# Altium PCB PCB2.PcbDoc
Units mm, origin at the board's own origin, x right, y up, seen from the top; angles counter-clockwise.
Board outline 84 x 54 mm, 2 copper layers (Top Layer, Bottom Layer); 83 components, 48 nets, 243 pads, 93 vias.
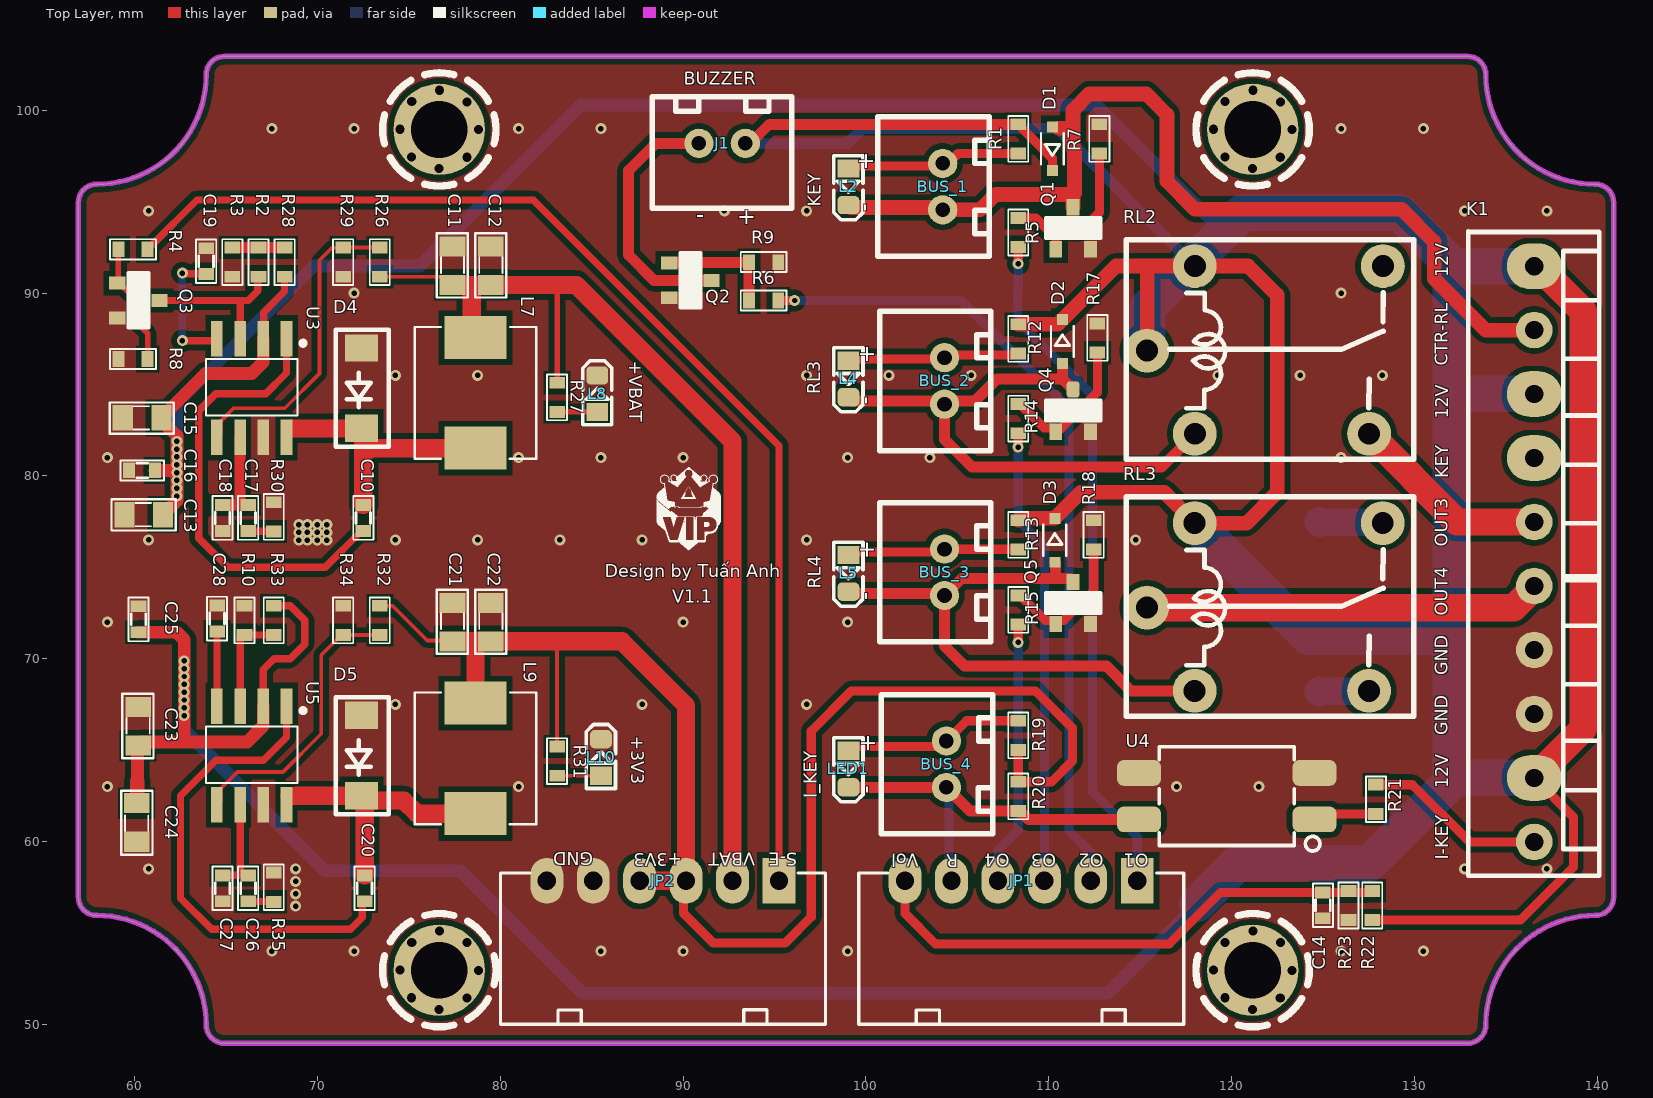
[diagram p0: Top Layer view]
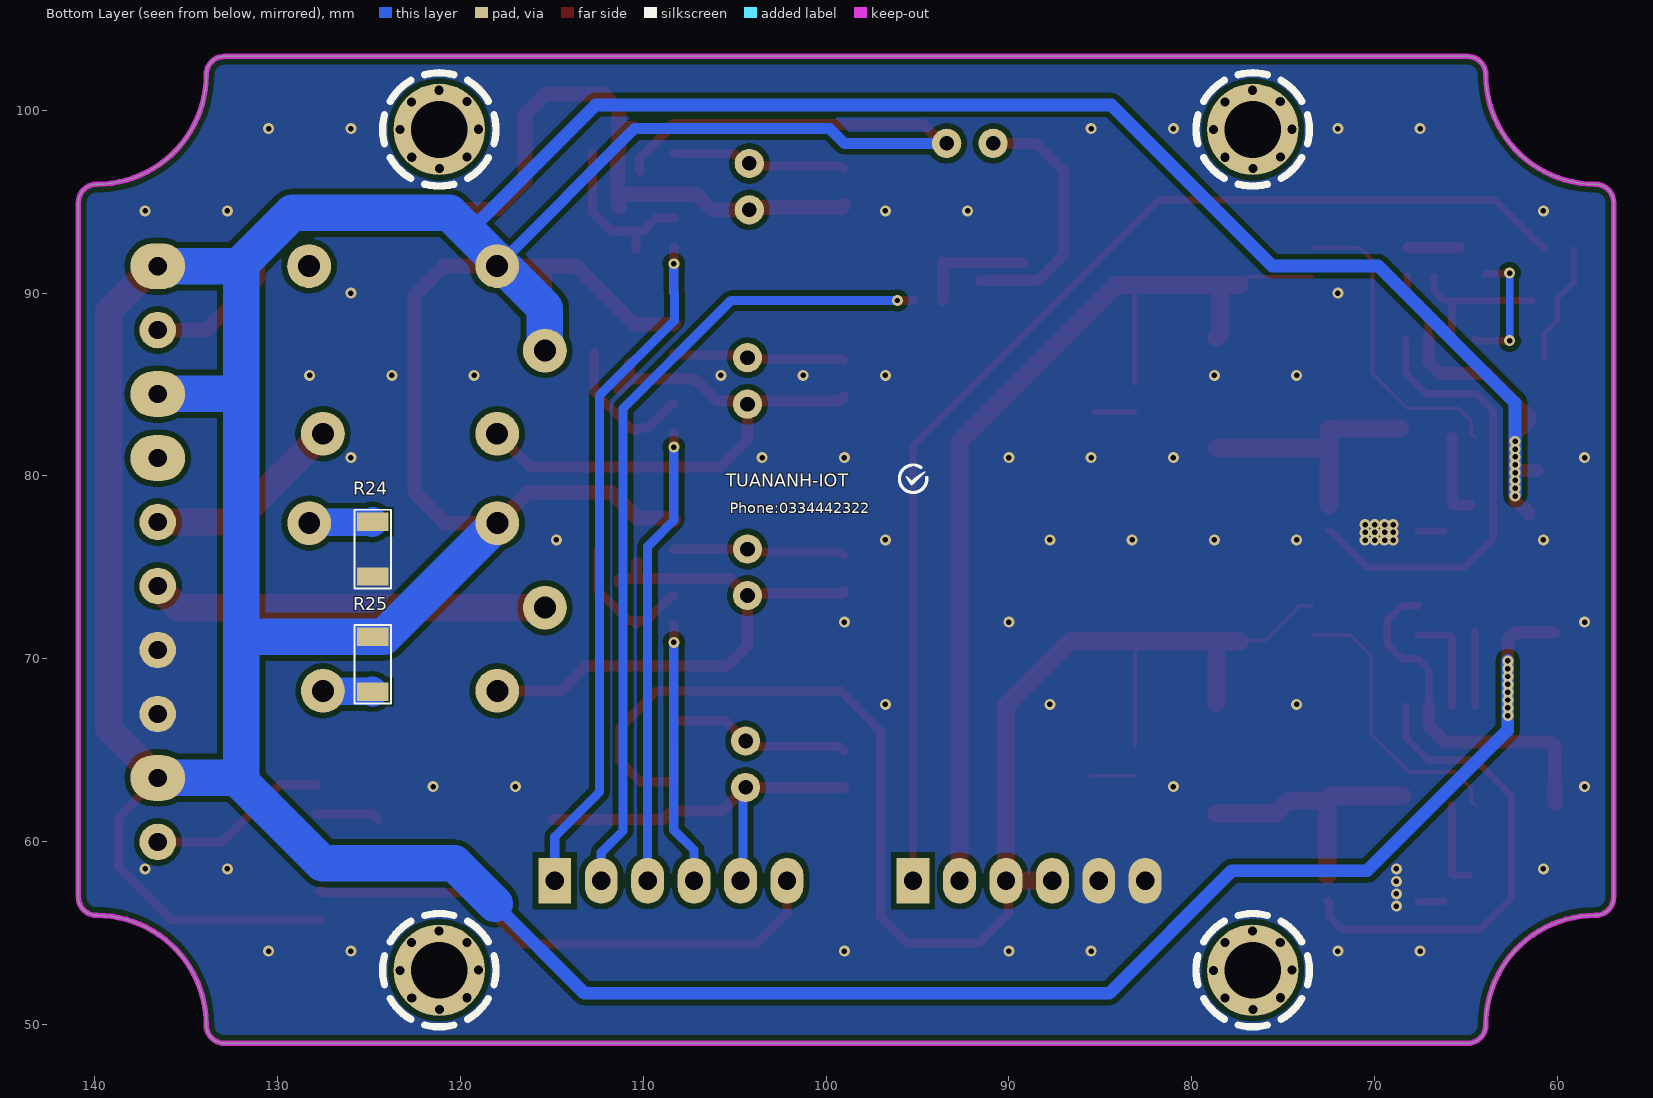
[diagram p1: Bottom Layer view, seen from below]
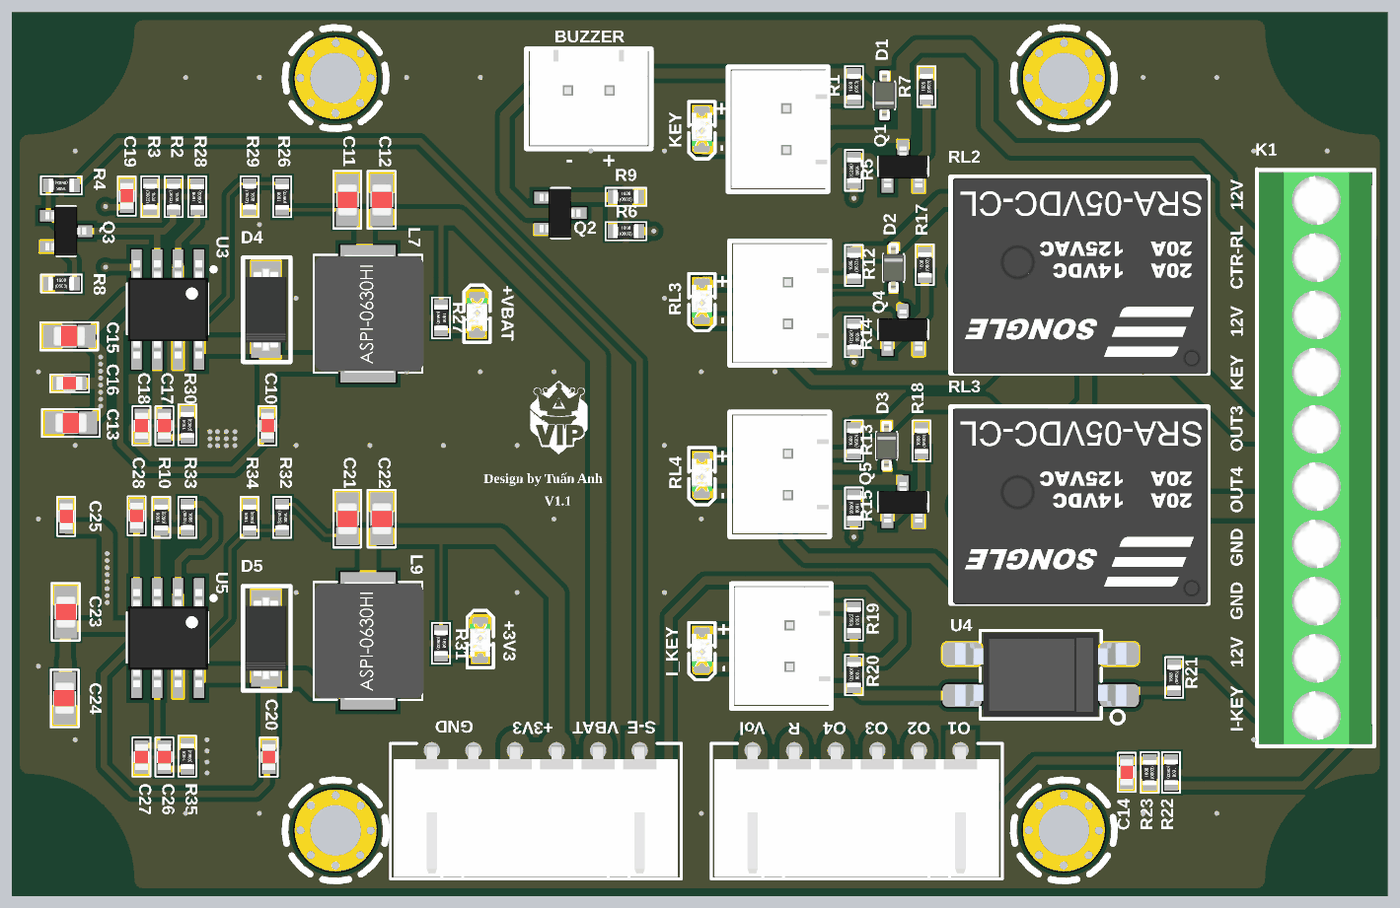
[diagram p2: 3D render of the assembled board from above, using the file's embedded part models]

## Layer stack, top to bottom
Top Solder: solder mask 0.0102, Solder Resist, Dk 3.5
Top Layer: signal copper 0.0356
Dielectric 1: dielectric 0.32, FR-4, Dk 4.8
Bottom Layer: signal copper 0.0356
Bottom Solder: solder mask 0.0102, Solder Resist, Dk 3.5

## Board outline
56.908,56.959 ccw(c57.908,56.959) 57.908,55.959 cw(c57.908,49.959) 63.908,49.959 ccw(c64.908,49.959) 64.908,48.959 132.908,48.959 ccw(c132.908,49.959) 133.908,49.959 cw(c139.908,49.959) 139.908,55.959 ccw(c139.908,56.959) 140.908,56.959 140.908,94.959 ccw(c139.908,94.959) 139.908,95.959 cw(c139.908,101.959) 133.908,101.959 ccw(c132.908,101.959) 132.908,102.959 64.908,102.959 ccw(c64.908,101.959) 63.908,101.959 cw(c57.908,101.959) 57.908,95.959 ccw(c57.908,94.959) 56.908,94.959

## Design rules (kind name [scope] priority, off if disabled: settings)
Clearance [All] p1: gap=0.3 ignorepadtopadclearanceinfootprint=FALSE
PlaneConnect [All] p1: planeconnectstyle=Direct reliefexpansion=0.508 reliefentries=4 reliefconductorwidth=0.254 reliefairgap=0.254
PolygonConnect [All] p1: connectstyle=Direct reliefconductorwidth=0.254 reliefentries=4 polygonreliefangle="90 Angle" airgapwidth=0.254
RoutingVias [All] p1: holewidth=0.2 width=0.6 viastyle="Through Hole" minholewidth=0.2 minwidth=0.6 maxholewidth=0.2 maxwidth=0.6
SolderMaskExpansion [All] p1: expansion=0.102 istentingtop=FALSE
Width [All] p1: maxlimit=3 minlimit=0.2 preferedwidth=0.4
29 further rules are at their usual default settings.

## Components (designator, comment, footprint, x,y, rotation, side; value= is the part's Value field where it differs from the comment)
BUS_1 "BUS_2PIN" CON2 104.2,95.83 r90 top value="Connector 2"
BUS_2 "BUS_2PIN" CON2 104.3,85.2 r90 top value="Connector 2"
BUS_3 "BUS_2PIN" CON2 104.3,74.73 r90 top value="Connector 2"
BUS_4 "BUS_2PIN" CON2 104.4,64.23 r90 top value="Connector 2"
C10 "100nF" CAP-0603 72.5,77.7 r90 top value=0,047uF
C11 "47uF" Cap-0805 77.3,91.5 r270 top value=0,047uF
C12 "47uF" Cap-0805 79.4,91.5 r270 top value=0,047uF
C13 "4.7uF" Cap-0805 60.5,77.8 r0 top value=0,047uF
C14 "100nF" CAP-0603 125,56.51 r90 top value=0,047uF
C15 "4.7uF" Cap-0805 60.4,83.1 r0 top value=0,047uF
C16 "0.01uF" CAP-0603 60.4,80.3 r0 top value=0,047uF
C17 "1nF" CAP-0603 66.2,77.7 r90 top value=0,047uF
C18 "47pF" CAP-0603 64.8,77.7 r90 top value=0,047uF
C19 "15nF" CAP-0603 63.9,91.75 r270 top value=0,047uF
C20 "100nF" CAP-0603 72.573,57.44 r90 top value=0,047uF
C21 "47uF" Cap-0805 77.3,72 r270 top value=0,047uF
C22 "47uF" Cap-0805 79.4,72 r270 top value=0,047uF
C23 "4.7uF" Cap-0805 60.1,66.3 r270 top value=0,047uF
C24 "4.7uF" Cap-0805 60.18,61.05 r90 top value=0,047uF
C25 "0.01uF" CAP-0603 60.2,72.16 r270 top value=0,047uF
C26 "1nF" CAP-0603 66.2,57.44 r90 top value=0,047uF
C27 "47pF" CAP-0603 64.8,57.44 r90 top value=0,047uF
C28 "15nF" CAP-0603 64.5,72.2 r270 top value=0,047uF
D1 "1N4007" SOD-323 110.2,97.9 r90 top
D2 "1N4007" SOD-323 110.75,87.358 r270 top
D3 "1N4007" SOD-323 110.33,76.48 r270 top
D4 "SS34" SS34 72.2,84.8 r90 top
D5 "SS34" SS34 72.2,64.7 r90 top
J1 "BUS_2PIN" CON2 92.13,98.2 r180 top value="Connector 2"
JP1 "XHB-6A" XH2.54-6P_THRU 108.48,57.83 r180 top value=JP7
JP2 "XHB-6A" XH2.54-6P_THRU 88.88,57.83 r180 top value=JP7
K1 "KF_10PIN" DOMINO-10PIN_3.5mm 136.56,87.98 r270 top
L2 "LED_R_1" LED_0805_smd 99.14,95.92 r270 top value=Red
L4 "LED_R_1" LED_0805_smd 99.14,85.41 r270 top value=Red
L5 "LED_R_1" LED_0805_smd 99.14,74.77 r270 top value=Red
L7 "10uH" INDUCTOR-06030 78.7,84.6 r90 top
L8 "LED" LED_0805_smd 85.2,84.4 r90 top value="Led 5v"
L9 "10uH" INDUCTOR-06030 78.7,64.6 r90 top
L10 "LED" LED_0805_smd 85.4,64.5 r90 top value="Led 3V3"
LED1 "SMD" LED_0805_smd 99.14,64.07 r270 top value=Red
Q1 "SI2300DS" SOT-23#1 111.33,93.56 r0 top
Q2 "SI2300DS" SOT-23#1 90.4,90.7 r270 top
Q3 "BSS138" SOT-23#1 60.2,89.6 r270 top
Q4 "SI2300DS" SOT-23#2 111.33,83.58 r0 top
Q5 "SI2300DS" SOT-23#1 111.33,73.05 r0 top
R1 "1k" RES-0603 108.33,98.44 r90 top
R2 "10K" RES-0603 66.767,91.7 r270 top
R3 "22K" RES-0603 65.333,91.7 r270 top
R4 "1K" RES-0603 59.9,92.4 r180 top
R5 "1K" RES-0603 108.33,93.32 r270 top
R6 "1K" RES-0603 94.4,89.6 r0 top
R7 "10k" RES-0603 112.77,98.44 r90 top
R8 "10K" RES-0603 59.9,86.4 r0 top
R9 "10K" RES-0603 94.4,91.7 r0 top
R10 "22K" RES-0603 66,72.1 r90 top
R12 "1k" RES-0603 108.33,87.5 r90 top
R13 "1k" RES-0603 108.33,76.78 r90 top
R14 "1K" RES-0603 108.33,83.14 r270 top
R15 "1K" RES-0603 108.33,72.67 r270 top
R17 "10k" RES-0603 112.66,87.55 r90 top
R18 "10k" RES-0603 112.46,76.78 r90 top
R19 "10K" RES-0603 108.33,65.81 r270 top
R20 "10K" RES-0603 108.33,62.47 r270 top
R21 "4K7" RES-0603 127.9,62.31 r90 top
R22 "30k" RES-0603 127.7,56.5 r270 top
R23 "7K5" RES-0603 126.4,56.5 r90 top
R24 "0R" RES-1206 124.8,76 r90 bottom
R25 "0R" RES-1206 124.8,69.7 r90 bottom
R26 "47K/1%" RES-0603 73.4,91.7 r90 top
R27 "1K" RES-0603 83.1,84.3 r270 top
R28 "47K" RES-0603 68.2,91.7 r90 top
R29 "12K/1%" RES-0603 71.4,91.7 r270 top
R30 "29K4" RES-0603 67.6,77.76 r90 top
R31 "1K" RES-0603 83.1,64.4 r270 top
R32 "47K/1%" RES-0603 73.4,72.1 r270 top
R33 "47K" RES-0603 67.6,72.1 r270 top
R34 "15K/1%" RES-0603 71.4,72.1 r90 top
R35 "29K4" RES-0603 67.6,57.5 r90 top
RL2 "Relay-VALUE" RL-20A 122.014,87.425 r0 top value="Relay SPDT, 10A, 12V"
RL3 "Relay-VALUE" RL-20A 122.01,73.36 r0 top value="Relay SPDT, 10A, 12V"
U3 "TPS54231D" SOIC-8 66.4,84.8 r270 top
U4 "FL817" OPTO-PC817 119.91,62.48 r180 top
U5 "TPS54231D" SOIC-8 66.4,64.7 r270 top

## Footprints (in the part's own frame and the unit in brackets; to place one, negate y for a bottom-side part, rotate by r counter-clockwise, add the part's x,y. Pads: shape width x height; smd on the part's side, far side on the other; paste and mask are expansions set on the pad)
CAP-0603 [mm]
  rect 0.65x0.85 smd: 1(-0.71,0) 2(0.71,0)
  silkscreen extent -1.19,-0.55 1.2,0.55, body extent -0.8,-0.4 0.8,0.4, height 0.3
Cap-0805 [mm]
  rect 1.1x1.397 smd: 1(-1.06,0.08) 2(1.05,0.08)
  silkscreen extent -1.78,-0.78 1.74,0.92, body extent -1.01,-0.55 0.99,0.7, height 0.78
CON2 [mm] "CON2"
  round 1.6 hole 0.8 mask+0.1: 1(-1.27,0) 2(1.27,0)
  silkscreen extent -3.81,-2.54 3.81,3.56, body extent -3.61,-2.49 3.61,3.35, height 7.21
DOMINO-10PIN_3.5mm [mm]
  oval 2.5x3 hole 1 mask+0.102: 1(-3.5,0) 3(3.5,0)
  round 2 hole 1 mask+0.102: 2(0,0)
  oval 2.5x3 hole 1 mask+0.1: 4(7,0) 9(24.5,0)
  round 2 hole 1 mask+0.1: 5(10.5,0) 6(14,0) 7(17.5,0) 8(21,0) 10(28,0)
  silkscreen extent -5.4,-3.6 29.86,3.57, body extent -5.25,-3.48 29.75,3.42, height 8.8
INDUCTOR-06030 [mm] "MHCI06030-150M-R8"
  rect 2.35x3.4 smd: 1(-3.078,0.063) 2(2.972,0.063)
  silkscreen extent -3.66,-3.26 3.55,3.39, body extent -3.65,-3.34 3.55,3.31, height 3.05
LED_0805_smd [mm]
  rect 1x1.2 smd paste-2 mask+0.075: 1(-0.9,-0.1)
  rrect50% 1x1.2 smd paste-2 mask+0.075: 2(1.1,-0.1)
  silkscreen extent -1.6,-0.9 1.9,0.7, body extent -0.9,-0.73 1.1,0.53, height 0.7
OPTO-PC817 [mm]
  rrect50% 2.4x1.4 smd: 1(-4.629,1.269) 2(-4.629,-1.271) 3(4.971,-1.271) 4(4.971,1.269)
  silkscreen extent -4.93,-2.7 3.87,3, body extent -5.06,-2.55 5.4,2.55, height 4.6
RES-0603 [mm] "Chip Resistor, Body 1.6x0.8mm, IPC High Density"
  rect 0.65x0.85 smd: 1(-0.8,0) 2(0.8,0)
  silkscreen extent -1.25,-0.55 1.25,0.55, body extent -0.78,-0.42 0.77,0.43, height 0.45
RES-1206 [mm] "Chip Resistor, Body 3.2x1.6mm, IPC High Density"
  rect 1x1.7 smd: 1(-1.5,0) 2(1.5,0)
  silkscreen extent -2.15,-1 2.15,1, body extent -1.61,-0.8 1.59,0.8, height 0.55
RL-20A [mm]
  round 2.4 hole 1.2 mask+0.1: 1(-6.632,-0.564) 2(6.265,4.06) 3(5.514,-5.115) 4(-4.024,-5.115) 5(-4.024,4.06)
  silkscreen extent -7.77,-6.52 7.96,5.5, body extent -7.62,-6.57 7.95,5.42, height 14.94
SOD-323 [mm]
  rect 0.6x0.6 smd paste-0.05: 1(1.2,0) 2(-1.2,0)
  silkscreen extent -0.85,-0.63 0.85,0.63, body extent -1.52,-0.71 1.52,0.71, height 1.18
SOIC-8 [mm]
  rect 1.95x0.635 smd: 1(-2.706,1.901) 2(-2.706,0.631) 3(-2.706,-0.639) 4(-2.706,-1.909) 5(2.682,-1.909) 6(2.682,-0.639) 7(2.682,0.631) 8(2.682,1.901)
  silkscreen extent -2.59,-2.5 1.5,2.93, body extent -3.01,-2.44 2.99,2.46, height 1.75
SOT-23#1 [mm] "SOT 23 _ 1-3-2"
  rect 0.7x0.9 smd: 1(-0.95,-1.15) 2(0.95,-1.15) 3(0,1.15)
  silkscreen extent -1.5,-0.55 1.5,0.55, body extent -1.5,-1.28 1.5,1.22, height 1.06
SOT-23#2 [mm] "SOT 23 _ 1-3-2"
  rect 0.7x0.9 smd: 1(-0.95,-1.15) 2(0.95,-1.15)
  rrect50% 0.7x0.9 smd: 3(0,1.15)
  silkscreen extent -1.5,-0.55 1.5,0.55, body extent -1.5,-1.28 1.5,1.22, height 1.06
SS34 [mm]
  rect 1.5x1.8 smd: 1(2.2,-0.2) 2(-2.2,-0.2)
  silkscreen extent -3.2,-1.7 3.2,1.2, body extent -2.55,-1.45 2.55,1.05, height 2.41
XH2.54-6P_THRU [mm]
  rect 1.8x2.5 hole 1 mask+0.1: 1(-6.36,-0.02)
  oval 1.8x2.5 hole 1 mask+0.1: 2(-3.82,-0.02) 3(-1.28,-0.02) 4(1.26,-0.02) 5(3.8,-0.02) 6(6.34,-0.02)
  silkscreen extent -8.91,-0.45 8.87,7.83, body extent -8.7,-0.32 8.68,7.71, height 5.84

## Part data
BUS_1 BUS_2 BUS_3 BUS_4 J1: library part CON2, "Connector 2"
C10 C11 C12 C13 C14 C15 C16 C17 C18 C19 C20 C21 C22 C23 C24 C25 C26 C27 C28: library part "CAP CERAMIC", "Cap np W0.3", Copyright=VanDungEvn
D1 D2 D3: "DIODE, GENERAL PURPOSE, 1000V/1A", ASSEMBLY=ASSEMBLY, DESC=DESCRIPTION, MANF=Diodes, MANF_P#=1N4007, PARAM="1000V, 1.15V", PARAM2=1.5A, PRICE=PRICE
D4 D5: library part DIODE_SCHOKY
JP1 JP2: library part JP6, "JP6 PIN"
L2 L4 L5: library part LED_RED_3MM, "LED Red 3mm/5MM", ComponentLink1Description=Datasheet, ComponentLink1URL="D:\Dropbox\Datasheets\Opto and Illumination\LEDs\SMD LED.pdf", Unit Price=0.0476
L7 L9: library part IN
L8 L10: library part LED_RED_SMD, ComponentLink1Description=Datasheet, ComponentLink1URL="D:\Dropbox\Datasheets\Opto and Illumination\LEDs\SMD LED.pdf", Unit Price=0.0476
LED1: library part LED_RED_SMD, "LED Red 3mm/5MM", ComponentLink1Description=Datasheet, ComponentLink1URL="D:\Dropbox\Datasheets\Opto and Illumination\LEDs\SMD LED.pdf", Unit Price=0.0476
Q1 Q4 Q5: library part MOSFET_SI2300DS, "MOSFET N-CH 3.6A 30V"
Q2: library part MOSFET-N_SI2300DS, "MOSFET N-CH 3.6A 30V"
Q3: library part MOSFET-N_BSS138, "MOSFET N-CH 0.2A-50V"
R1 R2 R3 R4 R5 R6 R7 R8 R9 R10 R12 R13 R14 R15 R17 R18 R19 R20 R21 R22 R23 R24 R25 R26 R27 R28 R29 R30 R31 R32 R33 R34 R35: library part Res, "Res", Manufacturer="Generic Components", Class=Passive, Published=08/06/2000, Publisher="Altium Hobart Technology Centre", SubClass=R
RL2 RL3: library part Relay-SONGLE, "Relay SPDT"
U3 U5: "IC BUCK @TE"
U4: library part OPTO-PC817, "OPTOCOUPLER, TRANSISTOR, 4PIN", PRICE=PRICE

## Free pads (board coordinates)
  round 0.5 hole 0.5: ""(74.515,52.968) ""(74.515,98.968) ""(75.136,51.45) ""(75.136,97.45) ""(75.149,54.481) ""(75.149,100.481) ""(76.649,50.816) ""(76.649,96.816) ""(76.667,55.102) ""(76.667,101.102) ""(78.167,51.437) ""(78.167,97.437) ""(78.18,54.468) ""(78.18,100.468) ""(78.801,52.95) ""(78.801,98.95) ""(119.015,52.968) ""(119.015,98.968) ""(119.636,51.45) ""(119.636,97.45) ""(119.649,54.481) ""(119.649,100.481) ""(121.149,50.816) ""(121.149,96.816) ""(121.167,55.102) ""(121.167,101.102) ""(122.667,51.437) ""(122.667,97.437) ""(122.68,54.468) ""(122.68,100.468) ""(123.301,52.95) ""(123.301,98.95)
  round 5 hole 3.1 mask+0.1: ""(76.658,52.959) ""(76.658,98.959) ""(121.158,52.959) ""(121.158,98.959)

## Via types
v1: diameter 0.6, hole 0.3, Top Layer to Bottom Layer, tented both sides, 93 vias

## Nets (pads, with @x,y where several pads share a name; then routed paths per layer and width w, separated by ;. In a path a pad name is that pad's centre, name@x,y a point inside that pad or via, vN(x,y) a via of type N, cw(c..) or ccw(c..) an arc to the next point about the centre after c; other vN are vias at no path point)
+3V3: C21.2 C22.2 JP2.3 JP2.4 L9.2 R19.2 R20.1 R31.1 R32.1 | length 83.6
  Top Layer w0.2: R32.1 74.1,72.9 75.999,71.001 77.329,71.001 C21.2 ; R31.1 83.1,70.95
  Top Layer w0.5: JP2.3 90.02,57.71 90.02,56.08 91.65,54.45 95.58,54.45 97.01,55.88 97.01,66.04 99.21,68.24 109.26,68.24 111.3,66.2 111.3,64.41 110.16,63.27 R20.1 R19.2
  Top Layer w1: C21.2 78.43,70.95 ; L9.2 78.637,70.743 78.43,70.95 ; JP2.4 JP2.3 90.16,67.44 86.65,70.95 83.1,70.95 C22.2 78.43,70.95
+12V: C13.2 C15.2 C16.2 C23.2 C24.2 C25.2 D1.2 D2.2 D3.2 J1.1 K1.1 K1.3 K1.9 R1.2 R12.2 R13.2 R22.2 R25.2 R28.1 R33.1 RL2.1 RL2.5 RL3.5 U3.2 U5.2 | length 427.1
  Top Layer w0.4: U5.2 67.031,69.415 67.616,70 68.5,70 69.3,70.8 69.3,72.1 68.5,72.9 R33.1 ; U3.2 67.048,87.523 67.048,88.948 68.189,90.089 68.189,90.889 R28.1
  Top Layer w0.5: R1.2 108.43,99.24 108.505,99.165 108.505,99.065 110.2,97.37 D1.2 D1.2@110.2,96.696 ; R22.2 135.8,55.7 138.7,58.6 138.7,61.34 K1.9
  Top Layer w0.6: C15.2 61.45,83.328 61.7,83.578 C15.2@61.848,83.578 ; J1.1 93.671,98.2 94.711,99.24 R1.2
  Top Layer w0.7: 60.14,63.3 C23.2@60.14,65.21 ; C23.2 60.378,65.448 62.7,65.448 ; C25.2 62.29,71.45 62.7,71.04 v1(62.7,69.886) v1(62.7,69.457) v1(62.7,69.029) v1(62.7,68.6) v1(62.7,68.171) v1(62.7,67.743) v1(62.7,67.314) v1(62.7,66.886) 62.7,65.448 ; C16.2 62.116,80.3 v1@62.3,80.484 ; C15.2 61.65,82.98 61.65,82.831 62.3,82.181 v1(62.3,81.9) v1(62.3,81.471) v1(62.3,81.043) v1(62.3,80.614) v1@62.3,80.484 ; C13.2 61.55,78.028 61.75,78.228 61.89,78.228 62.3,78.639 v1(62.3,78.9) v1(62.3,79.329) v1(62.3,79.757) v1(62.3,80.186) v1@62.3,80.484 ; C15.2@61.848,83.578 63.87,85.6 66.4,85.6 67.031,86.231 U3.2 ; U5.2 67.031,66.331 66.148,65.448 62.7,65.448
  Top Layer w0.8: C24.2 60.14,62.14 60.14,63.3 ; C23.2@60.14,65.21 C23.2 ; R13.2 108.405,77.655 108.773,77.655 108.798,77.68 D3.2 111.75,79.1 116.307,79.1 RL3.5 120.82,77.42 122.5,79.1 122.5,89.9 120.915,91.485 RL2.5 115.382,91.485 ; R12.2 110.492,88.3 D2.2 113.677,91.485 115.382,91.485 ; RL2.1 115.382,91.485
  Top Layer w1.5: K1.9 139.25,66.17 139.25,89.01 137.122,91.138 136.902,91.138 K1.1
  Bottom Layer w0.6: J1.1 99,98.2 99.8,99 110.475,99 117.868,91.607 RL2.5
  Bottom Layer w0.7: v1@62.3,78.995 v1(62.3,79.329) v1(62.3,79.757) v1(62.3,80.186) v1(62.3,80.614) v1(62.3,81.043) v1(62.3,81.471) v1(62.3,81.9) 62.3,84 69.785,91.485 75.585,91.485 84.4,100.3 112.6,100.3 119.275,93.625 119.825,93.625 ; v1(62.7,69.886) v1(62.7,69.457) v1(62.7,69.029) v1(62.7,68.6) v1(62.7,68.171) v1(62.7,67.743) v1(62.7,67.314) v1(62.7,66.886) 62.7,66.1 70.4,58.4 77.8,58.4 84.5,51.7 113.23,51.7 118.135,56.605
  Bottom Layer w2: RL2.1 115.382,89.182 117.513,91.313 117.574,91.313 117.868,91.607 118.077,91.815 118.077,91.877 119.825,93.625 120.6,94.4 129.21,94.4 132,91.61 ; RL3.5 124.207,71.2 131.8,71.2 132,71 ; 118.135,56.605 120.33,58.8 127.55,58.8 132.23,63.48 K1.9 ; 132,63.48 132,71 ; K1.3 136.55,84.49 132,84.49 ; K1.1 132.13,91.48 132,91.61 ; 132,71 132,84.49 ; 132,84.49 132,91.61
COIL_CTR: BUS_1.1 D1.1 K1.2 L2.2 Q1.3 | length 53.1
  Top Layer w0.8: L2.2 99.17,94.69 104.07,94.69 BUS_1.1 106.26,94.56 107.1,95.4 111.33,95.4 ; 110.56,99.03 111.33,99.03 ; Q1.3 111.33,95.4 ; K1.2 133.92,87.98 131.1,90.8 131.1,92.8 129.3,94.6 118,94.6 116.47,96.13 116.47,99.76 115.33,100.9 112.22,100.9 111.33,100.01 111.33,99.03 ; 111.33,95.4 111.41,95.48 111.41,97.892 111.33,97.972 111.33,99.03
GND: C11.1 C12.1 C13.1 C14.1 C15.1 C16.1 C18.1 C19.1 C21.1 C22.1 C23.1 C24.1 C25.1 C27.1 C28.1 D4.1 D5.1 JP2.5 JP2.6 K1.7 K1.8 L8.2 L10.2 Q1.2 Q2.2 Q3.2 Q4.2 Q5.2 R3.2 R7.2 R8.1 R9.2 R10.2 R17.2 R18.2 R23.1 R24.1 R29.2 R30.2 R34.2 R35.2 U3.7 U4.2 U4.3 U5.7
  other v1: 67.5,54 72,54 85.5,54 90,54 99,54 126,54 130.5,54 68.8,56.47 68.8,57.14 68.8,57.82 60.75,58.5 68.8,58.5 132.75,58.5 137.25,58.5 58.5,63 81,63 117,63 121.5,63 74.25,67.5 87.75,67.5 96.75,67.5 58.5,72 90,72 99,72 68.98,76.483 69.44,76.483 69.98,76.483 70.51,76.483 60.75,76.5 74.25,76.5 78.75,76.5 83.25,76.5 87.75,76.5 96.75,76.5 114.75,76.5 68.98,76.911 69.44,76.911 69.98,76.911 70.51,76.911 68.98,77.34 69.44,77.34 69.98,77.34 70.51,77.34 58.5,81 81,81 85.5,81 90,81 99,81 103.5,81 126,81 74.25,85.5 78.75,85.5 96.75,85.5 101.25,85.5 105.75,85.5 119.25,85.5 123.75,85.5 128.25,85.5 72,90 126,90 60.75,94.5 92.25,94.5 96.75,94.5 132.75,94.5 137.25,94.5 67.5,99 72,99 81,99 85.5,99 126,99 130.5,99
IN: K1.10 R21.2 | length 10
  Top Layer w0.5: R21.2 129.89,63.11 133.02,59.98 K1.10
NetBUS_1_2: BUS_1.2 L2.1 R1.1 | length 9.6
  Top Layer w0.5: L2.1 99.18,96.96 104.06,96.96 BUS_1.2 104.498,97.1 105.038,97.64 R1.1
NetBUS_2_1: BUS_2.1 D2.1 L4.2 Q4.3 RL2.4 | length 31.2
  Top Layer w0.6: L4.2 99.25,84.1 104.13,84.1 BUS_2.1 ; D2.1 110.75,85.31 ; Q4.3 111.33,84.83 111.23,84.93 111.13,84.93 110.75,85.31 ; RL2.4 116.18,80.5 105.8,80.5 104.3,82 BUS_2.1 ; BUS_2.1 104.47,84.1 105.96,84.1 107.17,85.31 110.75,85.31
NetBUS_2_2: BUS_2.2 L4.1 R12.1 | length 9.5
  Top Layer w0.5: L4.1 99.12,86.39 104.22,86.39 BUS_2.2 104.455,86.625 108.255,86.625 R12.1
NetBUS_3_1: BUS_3.1 D3.1 L5.2 Q5.3 RL3.4 | length 31.3
  Top Layer w0.6: L5.2 99.145,73.565 104.195,73.565 BUS_3.1 ; D3.1 110.38,75.23 110.38,74.52 110.5,74.4 ; Q5.3 111.33,74.3 111.23,74.4 110.5,74.4 ; RL3.4 114.505,68.245 113.15,69.6 105.4,69.6 104.3,70.7 BUS_3.1 ; BUS_3.1 105.24,74.4 110.5,74.4
NetBUS_3_2: BUS_3.2 L5.1 R13.1 | length 9.4
  Top Layer w0.5: L5.1 99.205,75.835 104.135,75.835 BUS_3.2 104.31,75.99 108.32,75.99 R13.1
NetBUS_4_2: BUS_4.2 LED1.1 R19.1 | length 10
  Top Layer w0.5: LED1.1 99.27,65.2 103.802,65.2 104.102,65.5 BUS_4.2 105.51,66.61 R19.1
NetC10_1: C10.1 U3.1 | length 25
  Top Layer w0.4: U3.1 68.301,85.635 67.166,84.5 64.43,84.5 63.5,83.57 63.5,76.6 65.1,75 70.41,75 72.4,76.99 C10.1
NetC10_2: C10.2 D4.2 L7.1 U3.8 | length 14.3
  Top Layer w1: U3.8@68.6,82.6 D4.2 72.478,82.522 72.478,81.522 L7.1 ; C10.2 72.5,81.6
NetC17_1: C17.1 R30.1 | length 1.4
  Top Layer w0.4: C17.1 66.215,76.975 67.585,76.975 R30.1
NetC17_2: C17.2 C18.2 U3.6 | length 4.6
  Top Layer w0.6: C18.2 65.7,78.41 65.761,78.471 U3.6
NetC19_2: C19.2 U3.4 | length 7
  Top Layer w0.4: v1(62.6,87.4) 64.385,87.4 U3.4 ; v1(62.6,91.1) 62.63,91.07 63.87,91.07 C19.2
  Bottom Layer w0.4: v1(62.6,87.4) v1(62.6,91.1)
NetC20_1: C20.1 U5.1 | length 26.3
  Top Layer w0.4: U5.1 68.301,65.701 67.04,64.44 64.44,64.44 62.5,62.5 62.5,56.9 64.2,55.2 71.8,55.2 72.448,55.848 72.448,56.705 72.473,56.73 C20.1
NetC20_2: C20.2 D5.2 L9.1 U5.8 | length 14.7
  Top Layer w1: U5.8@68.483,62.493 68.879,62.493 68.886,62.5 D5.2 D5.2@72.65,62.25 ; C20.2 72.573,62.25 D5.2@72.65,62.25 ; L9.1 75.437,61.522 74.709,62.25 D5.2@72.65,62.25
NetC26_1: C26.1 R35.1 | length 1.4
  Top Layer w0.4: C26.1 66.215,56.715 67.585,56.715 R35.1
NetC26_2: C26.2 C27.2 U5.6 | length 4.8
  Top Layer w0.4: C27.2 65.7,58.15 65.761,58.211 U5.6
NetC28_2: C28.2 U5.4 | length 4.1
  Top Layer w0.4: U5.4 C28.2@64.491,71.481
NetJ1_2: J1.2 Q2.3 | length 14.2
  Top Layer w0.6: J1.2 88.5,98.2 87,96.7 87,92.1 88.4,90.7 Q2.3
NetL8_1: L8.1 R27.2 | length 2.2
  Top Layer w0.3: R27.2 L8.1
NetL10_1: L10.1 R31.2 | length 2.4
  Top Layer w0.2: R31.2 L10.1
NetQ1_1: Q1.1 R5.1 R7.1 | length 9.4
  Top Layer w0.5: R5.1 109.28,94.12 110,93.4 110.3,93.4 ; Q1.1 110.405,92.435 110.405,93.295 110.3,93.4 ; R7.1 112.77,94.43 111.74,93.4 110.3,93.4
NetQ2_1: Q2.1 R6.1 R9.1 | length 6.5
  Top Layer w0.6: Q2.1 89.275,91.675 93.575,91.675 R9.1 R6.1
NetQ3_1: Q3.1 R4.2 R8.2 | length 6.7
  Top Layer w0.3: Q3.1 59.1,90.6 R4.2 ; Q3.1@59.15,90.55 59.35,90.35 60,89.7 60,88.5 60.7,87.8 R8.2
NetQ3_3: Q3.3 R2.2 U3.3 | length 8.5
  Top Layer w0.4: Q3.3 65.761,89.6 ; U3.3 65.761,89.6 ; R2.2 66.747,90.9 66.722,90.875 66.722,90.122 66.241,89.641 66.2,89.6 65.761,89.6
NetQ4_1: Q4.1 R14.1 R17.1 | length 7.7
  Top Layer w0.5: R14.1 108.43,83.94 109.74,82.63 110.28,82.63 110.38,82.53 Q4.1 ; Q4.1@110.663,82.583 112.66,84.58 R17.1
NetQ5_1: Q5.1 R15.1 R18.1 | length 7.8
  Top Layer w0.5: R15.1 108.43,73.47 109.8,72.1 110.28,72.1 Q5.1@110.38,72 ; Q5.1 Q5.1@110.38,72 ; R18.1 112.46,73.73 110.83,72.1 110.48,72.1 Q5.1@110.38,72
NetR2_1: R2.1 R3.1 R28.2 | length 2.9
  Top Layer w0.6: R3.1 R2.1 R28.2
NetR10_1: R10.1 R33.2 U5.3 | length 5.7
  Top Layer w0.4: U5.3 65.761,71.161 65.9,71.3 R10.1 R33.2
NetR21_1: R21.1 U4.1 | length 3.5
  Top Layer w0.5: U4.1 124.838,61.51 R21.1
NetR24_2: R24.2 RL3.2 | length 3.5
  Bottom Layer w1.5: R24.2@124.84,77.46 RL3.2@128.236,77.46
  Bottom Layer w1.6: R24.2 R24.2@124.84,77.46 ; RL3.2@128.236,77.46 RL3.2
NetR25_1: R25.1 RL3.3 | length 2.7
  Bottom Layer w1.5: R25.1@124.823,68.223 RL3.3@127.501,68.223
  Bottom Layer w1.6: R25.1 R25.1@124.823,68.223 ; RL3.3@127.501,68.223 RL3.3
NetR26_2: R26.2 R29.1 U3.5 | length 17.2
  Top Layer w0.2: U3.5 64.708,82.335 64.708,83.008 65.4,83.7 68.2,83.7 70.1,85.6 70.1,91.8 70.792,92.492 71.392,92.492 R29.1 R26.2
NetR32_2: R32.2 R34.1 U5.5 | length 15.7
  Top Layer w0.2: U5.5 64.708,62.235 64.708,62.908 65.6,63.8 68.1,63.8 70.2,65.9 70.2,70.2 71.3,71.3 R34.1 R32.2
out1: JP1.1 R5.2 | length 37.4
  Top Layer w0.5: v1(108.33,91.61) R5.2
  Bottom Layer w0.5: v1(108.33,91.61) 108.33,90.026 108.3,89.996 108.3,88.5 112.4,84.4 112.4,62.7 114.84,60.26 JP1.1
out2: JP1.2 R6.2 | length 44.7
  Top Layer w0.5: R6.2 v1(96.1,89.6)
  Bottom Layer w0.5: v1(96.1,89.6) 105.2,89.6 111.1,83.7 111.1,60.6 112.3,59.4 JP1.2
out3: JP1.3 R14.2 | length 25.1
  Top Layer w0.5: v1(108.33,81.576) R14.2
  Bottom Layer w0.5: v1(108.33,81.576) 108.33,77.57 109.76,76.14 JP1.3
out4: JP1.4 R15.2 | length 14.5
  Top Layer w0.5: v1(108.33,70.9) R15.2
  Bottom Layer w0.5: JP1.4 107.22,59.52 108.33,60.63 v1(108.33,70.9)
OUT_KEY: K1.4
OUT_SIGNAL: K1.5 RL2.3 | length 11
  Top Layer w1.5: RL2.3 132.358,77.48 K1.5
OUT_TEST: K1.6 RL3.1 | length 21.7
  Top Layer w1.5: RL3.1 135.431,72.796 136.56,73.924 K1.6
READ: BUS_4.1 JP1.5 LED1.2 R20.2 U4.4 | length 21.4
  Top Layer w0.6: LED1.2 99.045,62.965 104.395,62.965 BUS_4.1 105.69,61.67 107.9,61.67 ; R20.2 108.405,61.595 108.505,61.595 108.889,61.211 U4.4
  Bottom Layer w0.5: BUS_4.1 104.54,62.82 104.54,57.99 JP1.5
SIM-EN: JP2.1 R4.1 | length 65.1
  Top Layer w0.4: R4.1 60.7,92.5 60.825,92.625 60.925,92.625 63.4,95.1 81.8,95.1 95.24,81.66 JP2.1
VBAT: C11.2 C12.2 JP2.2 L7.2 R26.1 R27.1 | length 55.5
  Top Layer w0.2: R26.1 76.93,90.9 C11.2
  Top Layer w0.3: 82.85,90.45 83.1,90.2 R27.1
  Top Layer w1: C11.2 78.43,90.45 ; L7.2 78.43,87.779 78.43,90.45 ; JP2.2 92.7,81.9 84.15,90.45 82.85,90.45 C12.2 78.43,90.45
Vol: C14.2 JP1.6 R22.1 R23.2 | length 29.2
  Top Layer w0.5: JP1.6 102.14,56.06 103.8,54.4 116.6,54.4 119.42,57.22 C14.2 127.52,57.22 127.6,57.3 R22.1
pads on no net: RL2.2

## Polygon pours and split planes (outlines as drawn)
GND on Bottom Layer "NONET_L-01_P-001" (solid, pour order 1): 56.91,57.01 ccw(c57.98,57.01) 57.98,55.94 59.65,55.71 62.19,54.19 63.45,52.22 63.96,50.07 63.96,49.9 cw(c63.9,49.9) 63.9,49.84 64.06,49.41 64.33,49.13 64.7,48.95 65.45,48.95 65.46,48.94 132.777,48.94 ccw(c132.777,50.203) 133.67,49.31 ccw(c133.042,49.938) 133.93,49.938 133.93,50.54 134.5,52.49 135.64,54.16 137.13,55.28 138.58,55.82 139.99,55.96 140.01,55.96 ccw(c140.01,56.708) 140.539,56.179 140.73,56.37 ccw(c140.295,56.805) 140.91,56.805 140.91,94.932 ccw(c139.852,94.932) 140.6,95.68 ccw(c139.9,94.98) 139.9,95.97 139.7,95.97 138.34,96.15 136.64,96.93 135.09,98.38 134.12,100.33 133.93,101.59 133.91,102.03 ccw(c132.97,102.03) 132.97,102.97 64.89,102.97 ccw(c64.89,101.97) 63.89,101.97 63.81,100.89 63.03,98.81 61.84,97.43 60.34,96.45 58.25,95.95 57.85,95.96 57.8,95.96 ccw(c57.8,95.236) 57.288,95.748 57.03,95.49 ccw(c57.32,95.2) 56.91,95.2
GND on Top Layer "NONET_L-01_P-001" (solid, pour order 0): 56.91,56.95 ccw(c57.91,56.95) 57.91,55.95 58.77,55.9 60.6,55.37 62.39,54 63.45,52.15 63.81,51.01 63.91,49.83 ccw(c64.78,49.83) 64.78,48.96 132.91,48.96 ccw(c132.91,49.96) 133.91,49.96 134.35,52.19 135.53,54.05 137.27,55.35 138.48,55.8 139.78,55.95 cw(c139.804,55.926) 139.804,55.96 140.03,55.96 ccw(c140.03,56.684) 140.542,56.172 140.73,56.36 ccw(c140.295,56.795) 140.91,56.795 140.91,94.942 ccw(c139.852,94.942) 140.6,95.69 ccw(c139.9,94.99) 139.9,95.98 139.46,95.98 137.37,96.5 135.65,97.72 134.59,99.21 133.95,101.35 133.91,101.95 133.91,102.02 ccw(c133.089,102.02) 133.67,102.6 133.51,102.76 ccw(c133.027,102.277) 133.027,102.96 64.844,102.96 ccw(c64.844,102.106) 64.24,102.71 ccw(c65.037,101.913) 63.91,101.913 63.91,101.62 63.8,100.85 63.47,99.72 62.2,97.76 60.67,96.63 58.9,96.02 57.91,95.96 57.83,95.97 57.31,95.79 56.96,95.3 56.91,94.97

## Keep-outs
Keep-Out Layer:
  lines w0.3: 57.908,95.959 ccw(c57.908,101.959) 63.908,101.959 cw(c64.908,101.959) 64.908,102.959 132.908,102.959 cw(c132.908,101.959) 133.908,101.959 ccw(c139.908,101.959) 139.908,95.959 cw(c139.908,94.959) 140.908,94.959 140.908,56.959 cw(c139.908,56.959) 139.908,55.959 ; 57.908,95.959 ccw(c57.908,95.959) 57.908,95.959 ; 57.908,95.959 ccw(c57.908,94.959) 56.908,94.959 56.908,56.959 ccw(c57.908,56.959) 57.908,55.959 cw(c57.908,49.959) 63.908,49.959 ccw(c64.908,49.959) 64.908,48.959 132.908,48.959 ccw(c132.908,49.959) 133.908,49.959 ; 133.908,49.959 cw(c139.908,49.959) 139.908,55.959 ; 133.908,49.959 133.908,49.959 ; 139.9,95.959 ccw(c139.9,95.959) 139.9,95.959 ; 139.9,95.959 ccw(c139.9,95.959) 139.9,95.959 ; 139.908,55.959 ccw(c139.908,55.959) 139.908,55.959

## Other copper
Top Layer:
  pour cut-out: 76.658,56.259 ccw(c76.658,52.959) 73.358,52.959 ccw(c76.658,52.959) 76.658,49.659 ccw(c76.658,52.959) 79.958,52.959 ccw(c76.658,52.959)
  pour cut-out: 121.158,56.259 ccw(c121.158,52.959) 117.858,52.959 ccw(c121.158,52.959) 121.158,49.659 ccw(c121.158,52.959) 124.458,52.959 ccw(c121.158,52.959)
  pour cut-out: 121.158,102.259 ccw(c121.158,98.959) 117.858,98.959 ccw(c121.158,98.959) 121.158,95.659 ccw(c121.158,98.959) 124.458,98.959 ccw(c121.158,98.959)
  pour cut-out: 76.658,102.259 ccw(c76.658,98.959) 73.358,98.959 ccw(c76.658,98.959) 76.658,95.659 ccw(c76.658,98.959) 79.958,98.959 ccw(c76.658,98.959)
Bottom Layer:
  pour cut-out: 76.658,56.259 ccw(c76.658,52.959) 73.358,52.959 ccw(c76.658,52.959) 76.658,49.659 ccw(c76.658,52.959) 79.958,52.959 ccw(c76.658,52.959)
  pour cut-out: 121.158,56.259 ccw(c121.158,52.959) 117.858,52.959 ccw(c121.158,52.959) 121.158,49.659 ccw(c121.158,52.959) 124.458,52.959 ccw(c121.158,52.959)
  pour cut-out: 121.158,102.259 ccw(c121.158,98.959) 117.858,98.959 ccw(c121.158,98.959) 121.158,95.659 ccw(c121.158,98.959) 124.458,98.959 ccw(c121.158,98.959)
  pour cut-out: 76.658,102.259 ccw(c76.658,98.959) 73.358,98.959 ccw(c76.658,98.959) 76.658,95.659 ccw(c76.658,98.959) 79.958,98.959 ccw(c76.658,98.959)

## Silkscreen, mask and mechanical layers (free items; w line width, h text height)
Top Overlay:
  drawing of 35 lines, arcs and shapes, not listed
  text "BUZZER" at 90.03,101.144 h1.2
  text "+" at 100.691,96.7 h1.52 r90
  text "KEY" at 97.77,94.72 h1.2 r90
  text "-" at 100.611,94.46 h1.52 r90
  text "-" at 90.72,93.549 h1.52
  text "+" at 92.96,93.469 h1.52
  text "12V" at 132.09,90.88 h1.2 r90
  text "+VBAT" at 86.8,86.3 h1.2 r270
  text "+" at 100.741,86.14 h1.52 r90
  text "CTR-RL" at 132.076,86.039 h1.2 r90
  text "RL3" at 97.756,84.46 h1.2 r90
  text "-" at 100.661,83.9 h1.52 r90
  text "12V" at 132.09,83.141 h1.2 r90
  text "KEY" at 132.09,79.87 h1.2 r90
  text "OUT3" at 132.076,76.118 h1.2 r90
  text "+" at 100.751,75.44 h1.52 r90
  text "Design by Tuấn Anh" at 85.709,74.204 h1.2
  text "RL4" at 97.77,73.83 h1.2 r90
  text "-" at 100.671,73.2 h1.52 r90
  text "V1.1" at 89.41,72.827 h1.2
  text "OUT4" at 132.076,72.366 h1.2 r90
  text "GND" at 132.076,69.093 h1.2 r90
  text "+3V3" at 86.914,65.8 h1.2 r270
  text "GND" at 132.076,65.82 h1.2 r90
  text "+" at 100.811,64.86 h1.52 r90
  text "12V" at 132.09,62.921 h1.2 r90
  text "-" at 100.731,62.62 h1.52 r90
  text "I_KEY" at 97.558,62.38 h1.2 r90
  text "GND" at 85.08,59.666 h1.2 r180
  text "VBAT" at 93.95,59.62 h1.2 r180
  text "S-E" at 96.232,59.626 h1.2 r180
  text "+3V3" at 89.96,59.596 h1.2 r180
  text "Vol" at 102.9,59.566 h1.2 r180
  text "R" at 105.06,59.56 h1.2 r180
  text "O4" at 107.87,59.576 h1.2 r180
  text "O3" at 110.41,59.576 h1.2 r180
  text "O2" at 113,59.576 h1.2 r180
  text "O1" at 115.46,59.576 h1.2 r180
  text "I-KEY" at 132.09,58.99 h1.2 r90
Bottom Overlay:
  drawing of 34 lines, arcs and shapes, not listed
  text "TUANANH-IOT" at 105.49,79.16 h1.2
  text "Phone:0334442322" at 105.27,77.77 h1

## Text inside footprints (layer, text, board x,y; h text height)
BUS_1: Mechanical 2 "1" at 104.7,94.43 h1 r90; Mechanical 2 "2" at 104.7,96.83 h1 r90
BUS_2: Mechanical 2 "1" at 104.8,83.8 h1 r90; Mechanical 2 "2" at 104.8,86.2 h1 r90
BUS_3: Mechanical 2 "1" at 104.8,73.33 h1 r90; Mechanical 2 "2" at 104.8,75.73 h1 r90
BUS_4: Mechanical 2 "1" at 104.9,62.83 h1 r90; Mechanical 2 "2" at 104.9,65.23 h1 r90
J1: Mechanical 2 "2" at 91.13,98.7 h1 r180; Mechanical 2 "1" at 93.53,98.7 h1 r180
RL2: Mechanical 2 "COIL" at 116.814,89.325 h0.8; Mechanical 2 "NO" at 127.214,83.625 h0.8; Mechanical 2 "NC" at 127.514,89.225 h0.8; Mechanical 2 "COIL" at 117.014,83.625 h0.8; Mechanical 2 "COM" at 114.514,88.225 h0.8
RL3: Mechanical 2 "COM" at 114.51,74.16 h0.8; Mechanical 2 "COIL" at 117.01,69.56 h0.8; Mechanical 2 "NC" at 127.51,75.16 h0.8; Mechanical 2 "NO" at 127.21,69.56 h0.8; Mechanical 2 "COIL" at 116.81,75.26 h0.8